# Altium PCB Proyecto_0-Buck_Up.PcbDoc (part 1 of 5) (continued)
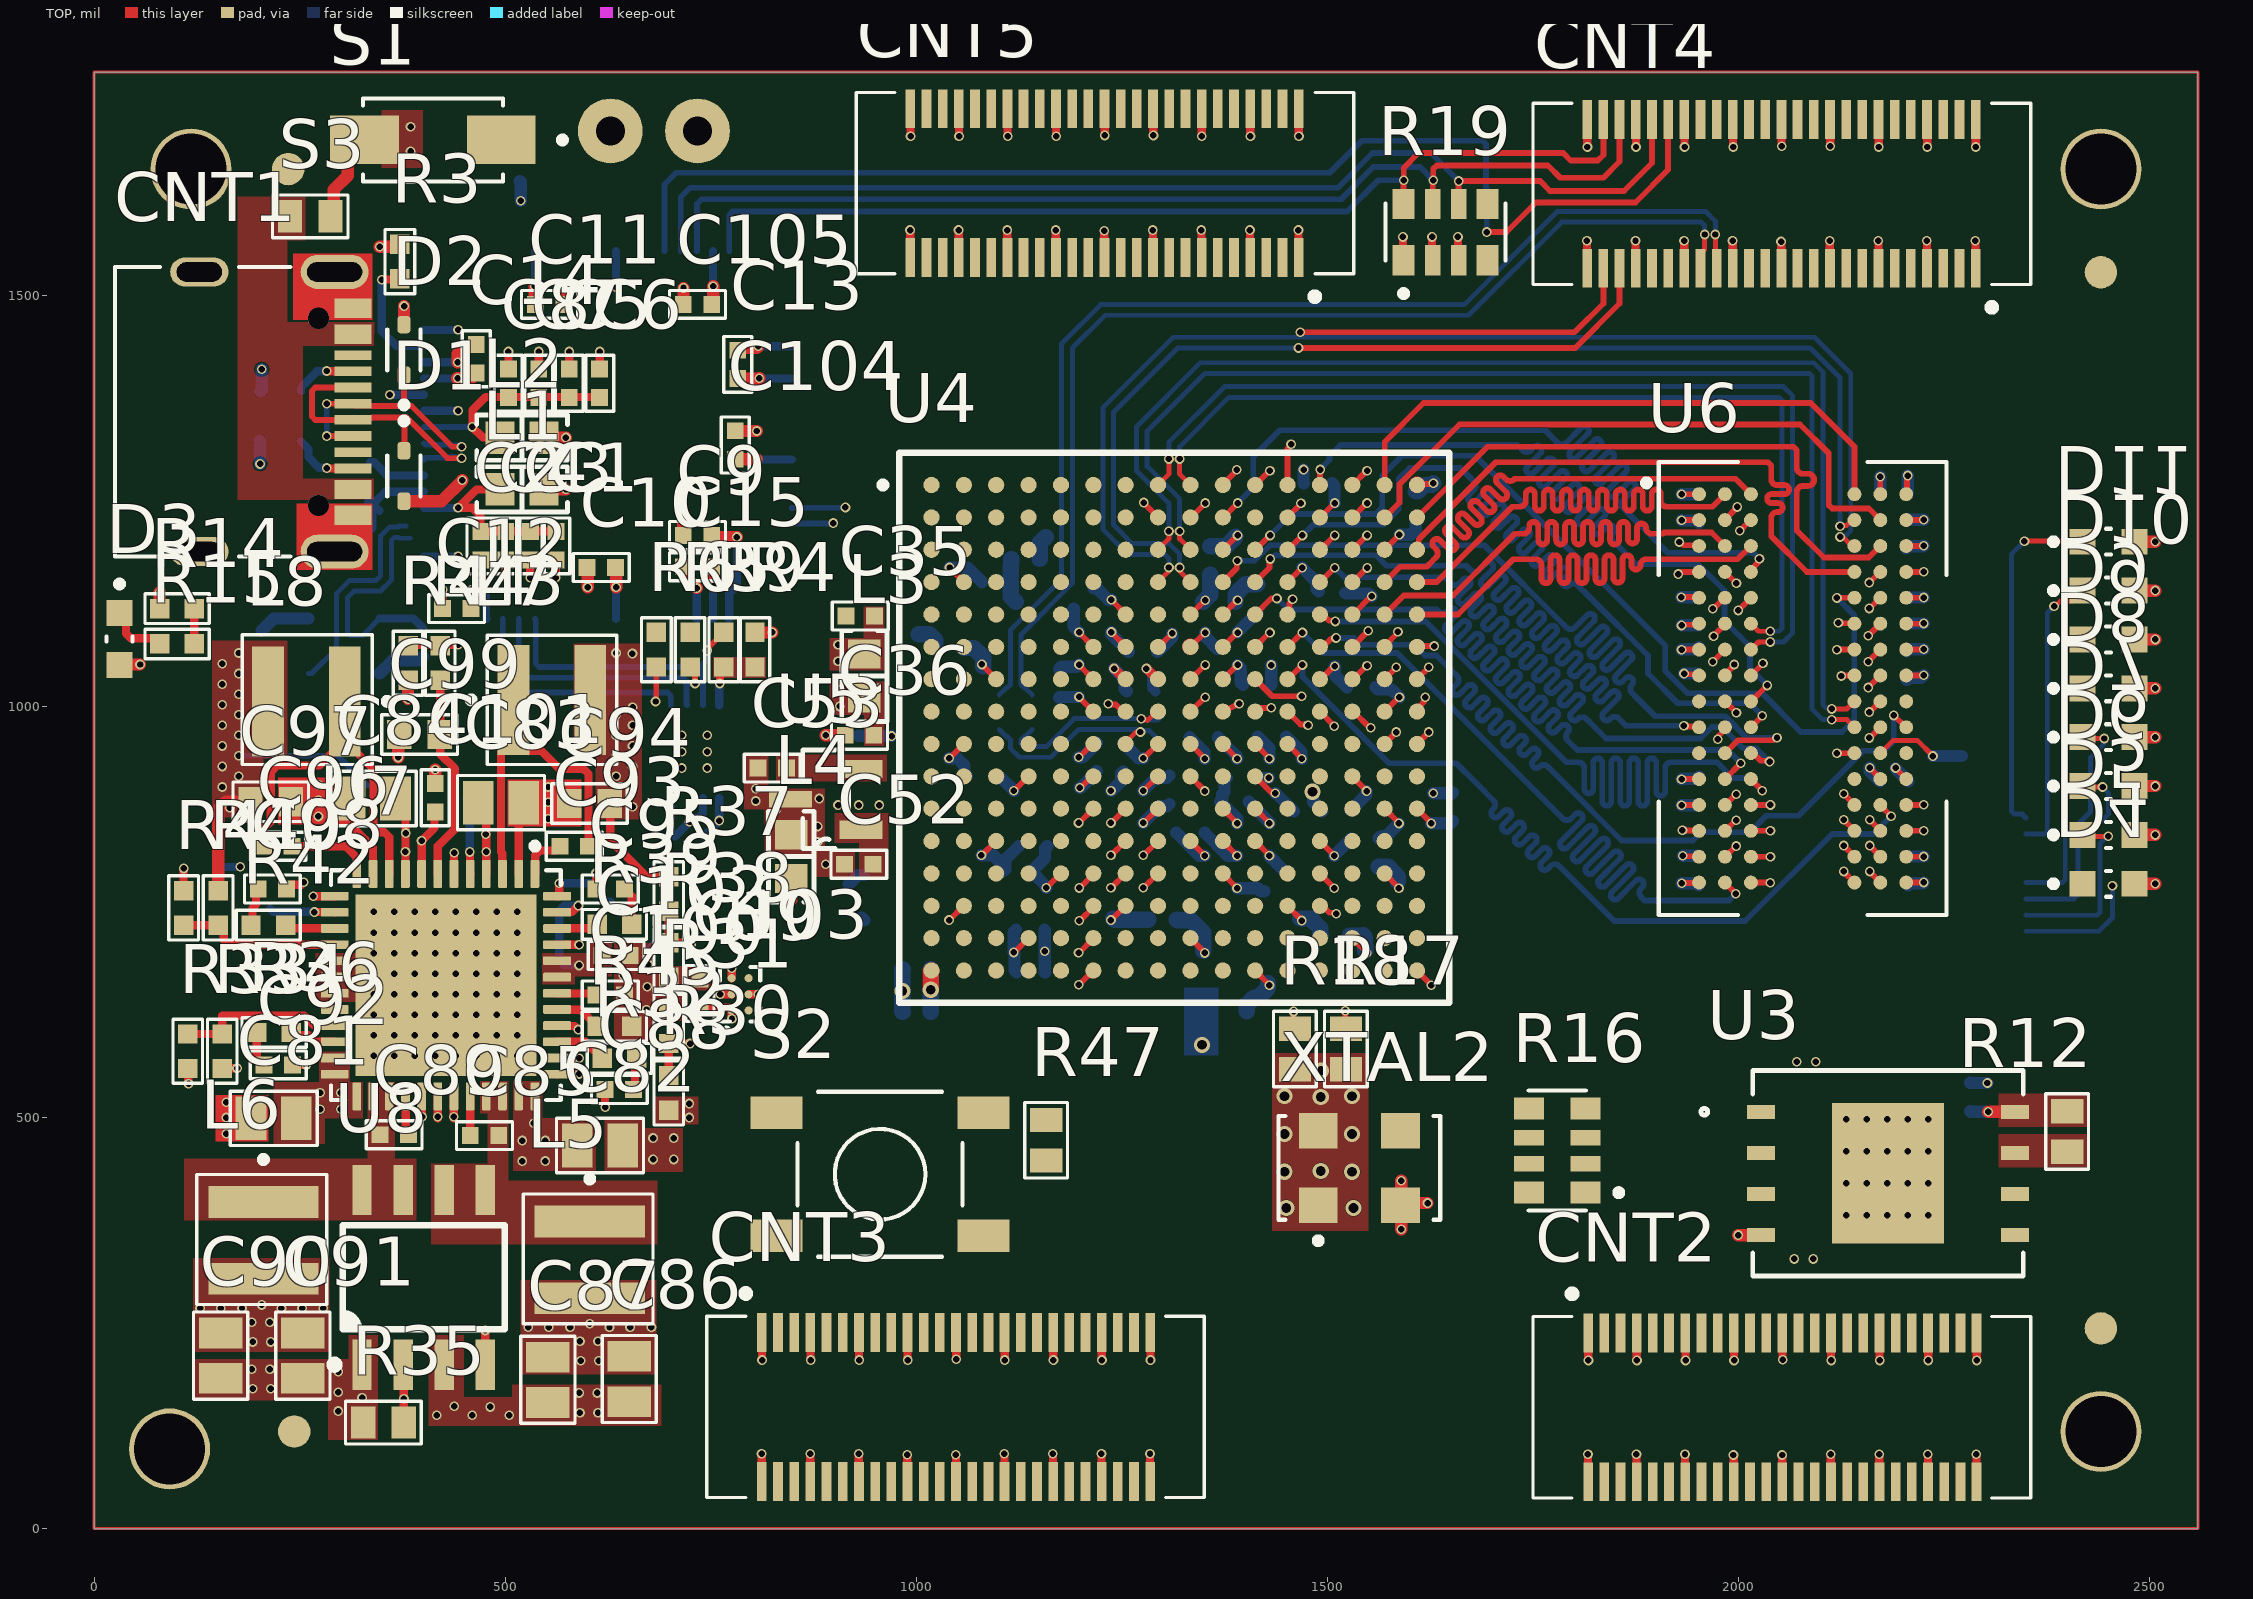
[diagram p0: TOP view]
## Design rules (kind name [scope] priority, off if disabled: settings) (continued)
DiffPairsRouting "Schematic Differential Pairs Routing_47" [InNet('AD12_N')] p18: maxlimit=10 minlimit=7 mostfreqgap=10 toplayer_maxgap=7 toplayer_prefgap=7 toplayer_minwidth=6 toplayer_maxwidth=6 toplayer_prefwidth=6 bottomlayer_maxgap=7 bottomlayer_prefgap=7 bottomlayer_minwidth=6 bottomlayer_maxwidth=6 bottomlayer_prefwidth=6 impedanceprofiledriven=TRUE impedanceprofileid={E70E592B-6717-4881-90EF-383EF7D50643} impedanceprofilevalue=100.000000 maxuncoupledlength=500
DiffPairsRouting "Schematic Differential Pairs Routing_46" [InNet('AD12_P')] p19: maxlimit=10 minlimit=7 mostfreqgap=10 toplayer_maxgap=7 toplayer_prefgap=7 toplayer_minwidth=6 toplayer_maxwidth=6 toplayer_prefwidth=6 bottomlayer_maxgap=7 bottomlayer_prefgap=7 bottomlayer_minwidth=6 bottomlayer_maxwidth=6 bottomlayer_prefwidth=6 impedanceprofiledriven=TRUE impedanceprofileid={E70E592B-6717-4881-90EF-383EF7D50643} impedanceprofilevalue=100.000000 maxuncoupledlength=500
DiffPairsRouting "Schematic Differential Pairs Routing_45" [InNet('L15_P')] p20: maxlimit=10 minlimit=7 mostfreqgap=10 toplayer_maxgap=7 toplayer_prefgap=7 toplayer_minwidth=6 toplayer_maxwidth=6 toplayer_prefwidth=6 bottomlayer_maxgap=7 bottomlayer_prefgap=7 bottomlayer_minwidth=6 bottomlayer_maxwidth=6 bottomlayer_prefwidth=6 impedanceprofiledriven=TRUE impedanceprofileid={E70E592B-6717-4881-90EF-383EF7D50643} impedanceprofilevalue=100.000000 maxuncoupledlength=500
DiffPairsRouting "Schematic Differential Pairs Routing_44" [InNet('UDQS_N')] p21: maxlimit=10 minlimit=7 mostfreqgap=10 toplayer_maxgap=7 toplayer_prefgap=7 toplayer_minwidth=6 toplayer_maxwidth=6 toplayer_prefwidth=6 bottomlayer_maxgap=7 bottomlayer_prefgap=7 bottomlayer_minwidth=6 bottomlayer_maxwidth=6 bottomlayer_prefwidth=6 impedanceprofiledriven=TRUE impedanceprofileid={E70E592B-6717-4881-90EF-383EF7D50643} impedanceprofilevalue=100.000000 maxuncoupledlength=500
DiffPairsRouting "Schematic Differential Pairs Routing_43" [InNet('UDQS_P')] p22: maxlimit=10 minlimit=7 mostfreqgap=10 toplayer_maxgap=7 toplayer_prefgap=7 toplayer_minwidth=6 toplayer_maxwidth=6 toplayer_prefwidth=6 bottomlayer_maxgap=7 bottomlayer_prefgap=7 bottomlayer_minwidth=6 bottomlayer_maxwidth=6 bottomlayer_prefwidth=6 impedanceprofiledriven=TRUE impedanceprofileid={E70E592B-6717-4881-90EF-383EF7D50643} impedanceprofilevalue=100.000000 maxuncoupledlength=500
DiffPairsRouting "Schematic Differential Pairs Routing_42" [InNet('CK_P')] p23: maxlimit=10 minlimit=7 mostfreqgap=10 toplayer_maxgap=7 toplayer_prefgap=7 toplayer_minwidth=6 toplayer_maxwidth=6 toplayer_prefwidth=6 bottomlayer_maxgap=7 bottomlayer_prefgap=7 bottomlayer_minwidth=6 bottomlayer_maxwidth=6 bottomlayer_prefwidth=6 impedanceprofiledriven=TRUE impedanceprofileid={E70E592B-6717-4881-90EF-383EF7D50643} impedanceprofilevalue=100.000000 maxuncoupledlength=500
DiffPairsRouting "Schematic Differential Pairs Routing_41" [InNet('CK_N')] p24: maxlimit=10 minlimit=7 mostfreqgap=10 toplayer_maxgap=7 toplayer_prefgap=7 toplayer_minwidth=6 toplayer_maxwidth=6 toplayer_prefwidth=6 bottomlayer_maxgap=7 bottomlayer_prefgap=7 bottomlayer_minwidth=6 bottomlayer_maxwidth=6 bottomlayer_prefwidth=6 impedanceprofiledriven=TRUE impedanceprofileid={E70E592B-6717-4881-90EF-383EF7D50643} impedanceprofilevalue=100.000000 maxuncoupledlength=500
DiffPairsRouting "Schematic Differential Pairs Routing_40" [InNet('AD5_P')] p25: maxlimit=10 minlimit=7 mostfreqgap=10 toplayer_maxgap=7 toplayer_prefgap=7 toplayer_minwidth=6 toplayer_maxwidth=6 toplayer_prefwidth=6 bottomlayer_maxgap=7 bottomlayer_prefgap=7 bottomlayer_minwidth=6 bottomlayer_maxwidth=6 bottomlayer_prefwidth=6 impedanceprofiledriven=TRUE impedanceprofileid={E70E592B-6717-4881-90EF-383EF7D50643} impedanceprofilevalue=100.000000 maxuncoupledlength=500
DiffPairsRouting "Schematic Differential Pairs Routing_39" [InNet('L12_N')] p26: maxlimit=10 minlimit=7 mostfreqgap=10 toplayer_maxgap=7 toplayer_prefgap=7 toplayer_minwidth=6 toplayer_maxwidth=6 toplayer_prefwidth=6 bottomlayer_maxgap=7 bottomlayer_prefgap=7 bottomlayer_minwidth=6 bottomlayer_maxwidth=6 bottomlayer_prefwidth=6 impedanceprofiledriven=TRUE impedanceprofileid={E70E592B-6717-4881-90EF-383EF7D50643} impedanceprofilevalue=100.000000 maxuncoupledlength=500
DiffPairsRouting "Schematic Differential Pairs Routing_38" [InNet('L22_N')] p27: maxlimit=10 minlimit=7 mostfreqgap=10 toplayer_maxgap=7 toplayer_prefgap=7 toplayer_minwidth=6 toplayer_maxwidth=6 toplayer_prefwidth=6 bottomlayer_maxgap=7 bottomlayer_prefgap=7 bottomlayer_minwidth=6 bottomlayer_maxwidth=6 bottomlayer_prefwidth=6 impedanceprofiledriven=TRUE impedanceprofileid={E70E592B-6717-4881-90EF-383EF7D50643} impedanceprofilevalue=100.000000 maxuncoupledlength=500
DiffPairsRouting "Schematic Differential Pairs Routing_37" [InNet('AD5_N')] p28: maxlimit=10 minlimit=7 mostfreqgap=10 toplayer_maxgap=7 toplayer_prefgap=7 toplayer_minwidth=6 toplayer_maxwidth=6 toplayer_prefwidth=6 bottomlayer_maxgap=7 bottomlayer_prefgap=7 bottomlayer_minwidth=6 bottomlayer_maxwidth=6 bottomlayer_prefwidth=6 impedanceprofiledriven=TRUE impedanceprofileid={E70E592B-6717-4881-90EF-383EF7D50643} impedanceprofilevalue=100.000000 maxuncoupledlength=500
DiffPairsRouting "Schematic Differential Pairs Routing_36" [InNet('AD7_P')] p29: maxlimit=10 minlimit=7 mostfreqgap=10 toplayer_maxgap=7 toplayer_prefgap=7 toplayer_minwidth=6 toplayer_maxwidth=6 toplayer_prefwidth=6 bottomlayer_maxgap=7 bottomlayer_prefgap=7 bottomlayer_minwidth=6 bottomlayer_maxwidth=6 bottomlayer_prefwidth=6 impedanceprofiledriven=TRUE impedanceprofileid={E70E592B-6717-4881-90EF-383EF7D50643} impedanceprofilevalue=100.000000 maxuncoupledlength=500
DiffPairsRouting "Schematic Differential Pairs Routing_35" [InNet('L16_P')] p30: maxlimit=10 minlimit=7 mostfreqgap=10 toplayer_maxgap=7 toplayer_prefgap=7 toplayer_minwidth=6 toplayer_maxwidth=6 toplayer_prefwidth=6 bottomlayer_maxgap=7 bottomlayer_prefgap=7 bottomlayer_minwidth=6 bottomlayer_maxwidth=6 bottomlayer_prefwidth=6 impedanceprofiledriven=TRUE impedanceprofileid={E70E592B-6717-4881-90EF-383EF7D50643} impedanceprofilevalue=100.000000 maxuncoupledlength=500
DiffPairsRouting "Schematic Differential Pairs Routing_34" [InNet('L13_P')] p31: maxlimit=10 minlimit=7 mostfreqgap=10 toplayer_maxgap=7 toplayer_prefgap=7 toplayer_minwidth=6 toplayer_maxwidth=6 toplayer_prefwidth=6 bottomlayer_maxgap=7 bottomlayer_prefgap=7 bottomlayer_minwidth=6 bottomlayer_maxwidth=6 bottomlayer_prefwidth=6 impedanceprofiledriven=TRUE impedanceprofileid={E70E592B-6717-4881-90EF-383EF7D50643} impedanceprofilevalue=100.000000 maxuncoupledlength=500
DiffPairsRouting "Schematic Differential Pairs Routing_33" [InNet('L23_P')] p32: maxlimit=10 minlimit=7 mostfreqgap=10 toplayer_maxgap=7 toplayer_prefgap=7 toplayer_minwidth=6 toplayer_maxwidth=6 toplayer_prefwidth=6 bottomlayer_maxgap=7 bottomlayer_prefgap=7 bottomlayer_minwidth=6 bottomlayer_maxwidth=6 bottomlayer_prefwidth=6 impedanceprofiledriven=TRUE impedanceprofileid={E70E592B-6717-4881-90EF-383EF7D50643} impedanceprofilevalue=100.000000 maxuncoupledlength=500
DiffPairsRouting "Schematic Differential Pairs Routing_32" [InNet('L16_N')] p33: maxlimit=10 minlimit=7 mostfreqgap=10 toplayer_maxgap=7 toplayer_prefgap=7 toplayer_minwidth=6 toplayer_maxwidth=6 toplayer_prefwidth=6 bottomlayer_maxgap=7 bottomlayer_prefgap=7 bottomlayer_minwidth=6 bottomlayer_maxwidth=6 bottomlayer_prefwidth=6 impedanceprofiledriven=TRUE impedanceprofileid={E70E592B-6717-4881-90EF-383EF7D50643} impedanceprofilevalue=100.000000 maxuncoupledlength=500
DiffPairsRouting "Schematic Differential Pairs Routing_31" [InNet('L20_P')] p34: maxlimit=10 minlimit=7 mostfreqgap=10 toplayer_maxgap=7 toplayer_prefgap=7 toplayer_minwidth=6 toplayer_maxwidth=6 toplayer_prefwidth=6 bottomlayer_maxgap=7 bottomlayer_prefgap=7 bottomlayer_minwidth=6 bottomlayer_maxwidth=6 bottomlayer_prefwidth=6 impedanceprofiledriven=TRUE impedanceprofileid={E70E592B-6717-4881-90EF-383EF7D50643} impedanceprofilevalue=100.000000 maxuncoupledlength=500
DiffPairsRouting "Schematic Differential Pairs Routing_30" [InNet('AD6_P')] p35: maxlimit=10 minlimit=7 mostfreqgap=10 toplayer_maxgap=7 toplayer_prefgap=7 toplayer_minwidth=6 toplayer_maxwidth=6 toplayer_prefwidth=6 bottomlayer_maxgap=7 bottomlayer_prefgap=7 bottomlayer_minwidth=6 bottomlayer_maxwidth=6 bottomlayer_prefwidth=6 impedanceprofiledriven=TRUE impedanceprofileid={E70E592B-6717-4881-90EF-383EF7D50643} impedanceprofilevalue=100.000000 maxuncoupledlength=500
DiffPairsRouting "Schematic Differential Pairs Routing_29" [InNet('AD7_N')] p36: maxlimit=10 minlimit=7 mostfreqgap=10 toplayer_maxgap=7 toplayer_prefgap=7 toplayer_minwidth=6 toplayer_maxwidth=6 toplayer_prefwidth=6 bottomlayer_maxgap=7 bottomlayer_prefgap=7 bottomlayer_minwidth=6 bottomlayer_maxwidth=6 bottomlayer_prefwidth=6 impedanceprofiledriven=TRUE impedanceprofileid={E70E592B-6717-4881-90EF-383EF7D50643} impedanceprofilevalue=100.000000 maxuncoupledlength=500
DiffPairsRouting "Schematic Differential Pairs Routing_28" [InNet('L18_P')] p37: maxlimit=10 minlimit=7 mostfreqgap=10 toplayer_maxgap=7 toplayer_prefgap=7 toplayer_minwidth=6 toplayer_maxwidth=6 toplayer_prefwidth=6 bottomlayer_maxgap=7 bottomlayer_prefgap=7 bottomlayer_minwidth=6 bottomlayer_maxwidth=6 bottomlayer_prefwidth=6 impedanceprofiledriven=TRUE impedanceprofileid={E70E592B-6717-4881-90EF-383EF7D50643} impedanceprofilevalue=100.000000 maxuncoupledlength=500
DiffPairsRouting "Schematic Differential Pairs Routing_27" [InNet('L20_N')] p38: maxlimit=10 minlimit=7 mostfreqgap=10 toplayer_maxgap=7 toplayer_prefgap=7 toplayer_minwidth=6 toplayer_maxwidth=6 toplayer_prefwidth=6 bottomlayer_maxgap=7 bottomlayer_prefgap=7 bottomlayer_minwidth=6 bottomlayer_maxwidth=6 bottomlayer_prefwidth=6 impedanceprofiledriven=TRUE impedanceprofileid={E70E592B-6717-4881-90EF-383EF7D50643} impedanceprofilevalue=100.000000 maxuncoupledlength=500
DiffPairsRouting "Schematic Differential Pairs Routing_26" [InNet('L18_N')] p39: maxlimit=10 minlimit=7 mostfreqgap=10 toplayer_maxgap=7 toplayer_prefgap=7 toplayer_minwidth=6 toplayer_maxwidth=6 toplayer_prefwidth=6 bottomlayer_maxgap=7 bottomlayer_prefgap=7 bottomlayer_minwidth=6 bottomlayer_maxwidth=6 bottomlayer_prefwidth=6 impedanceprofiledriven=TRUE impedanceprofileid={E70E592B-6717-4881-90EF-383EF7D50643} impedanceprofilevalue=100.000000 maxuncoupledlength=500
DiffPairsRouting "Schematic Differential Pairs Routing_25" [InNet('LDQS_N')] p40: maxlimit=10 minlimit=7 mostfreqgap=10 toplayer_maxgap=7 toplayer_prefgap=7 toplayer_minwidth=6 toplayer_maxwidth=6 toplayer_prefwidth=6 bottomlayer_maxgap=7 bottomlayer_prefgap=7 bottomlayer_minwidth=6 bottomlayer_maxwidth=6 bottomlayer_prefwidth=6 impedanceprofiledriven=TRUE impedanceprofileid={E70E592B-6717-4881-90EF-383EF7D50643} impedanceprofilevalue=100.000000 maxuncoupledlength=500
DiffPairsRouting "Schematic Differential Pairs Routing_24" [InNet('LDQS_P')] p41: maxlimit=10 minlimit=7 mostfreqgap=10 toplayer_maxgap=7 toplayer_prefgap=7 toplayer_minwidth=6 toplayer_maxwidth=6 toplayer_prefwidth=6 bottomlayer_maxgap=7 bottomlayer_prefgap=7 bottomlayer_minwidth=6 bottomlayer_maxwidth=6 bottomlayer_prefwidth=6 impedanceprofiledriven=TRUE impedanceprofileid={E70E592B-6717-4881-90EF-383EF7D50643} impedanceprofilevalue=100.000000 maxuncoupledlength=500
DiffPairsRouting "Schematic Differential Pairs Routing_23" [InNet('L14_N')] p42: maxlimit=10 minlimit=7 mostfreqgap=10 toplayer_maxgap=7 toplayer_prefgap=7 toplayer_minwidth=6 toplayer_maxwidth=6 toplayer_prefwidth=6 bottomlayer_maxgap=7 bottomlayer_prefgap=7 bottomlayer_minwidth=6 bottomlayer_maxwidth=6 bottomlayer_prefwidth=6 impedanceprofiledriven=TRUE impedanceprofileid={E70E592B-6717-4881-90EF-383EF7D50643} impedanceprofilevalue=100.000000 maxuncoupledlength=500
DiffPairsRouting "Schematic Differential Pairs Routing_22" [InNet('L24_N')] p43: maxlimit=10 minlimit=7 mostfreqgap=10 toplayer_maxgap=7 toplayer_prefgap=7 toplayer_minwidth=6 toplayer_maxwidth=6 toplayer_prefwidth=6 bottomlayer_maxgap=7 bottomlayer_prefgap=7 bottomlayer_minwidth=6 bottomlayer_maxwidth=6 bottomlayer_prefwidth=6 impedanceprofiledriven=TRUE impedanceprofileid={E70E592B-6717-4881-90EF-383EF7D50643} impedanceprofilevalue=100.000000 maxuncoupledlength=500
DiffPairsRouting "Schematic Differential Pairs Routing_21" [InNet('AD6_N')] p44: maxlimit=10 minlimit=7 mostfreqgap=10 toplayer_maxgap=7 toplayer_prefgap=7 toplayer_minwidth=6 toplayer_maxwidth=6 toplayer_prefwidth=6 bottomlayer_maxgap=7 bottomlayer_prefgap=7 bottomlayer_minwidth=6 bottomlayer_maxwidth=6 bottomlayer_prefwidth=6 impedanceprofiledriven=TRUE impedanceprofileid={E70E592B-6717-4881-90EF-383EF7D50643} impedanceprofilevalue=100.000000 maxuncoupledlength=500
DiffPairsRouting "Schematic Differential Pairs Routing_20" [InNet('L13_N')] p45: maxlimit=10 minlimit=7 mostfreqgap=10 toplayer_maxgap=7 toplayer_prefgap=7 toplayer_minwidth=6 toplayer_maxwidth=6 toplayer_prefwidth=6 bottomlayer_maxgap=7 bottomlayer_prefgap=7 bottomlayer_minwidth=6 bottomlayer_maxwidth=6 bottomlayer_prefwidth=6 impedanceprofiledriven=TRUE impedanceprofileid={E70E592B-6717-4881-90EF-383EF7D50643} impedanceprofilevalue=100.000000 maxuncoupledlength=500
DiffPairsRouting "Schematic Differential Pairs Routing_19" [InNet('L23_N')] p46: maxlimit=10 minlimit=7 mostfreqgap=10 toplayer_maxgap=7 toplayer_prefgap=7 toplayer_minwidth=6 toplayer_maxwidth=6 toplayer_prefwidth=6 bottomlayer_maxgap=7 bottomlayer_prefgap=7 bottomlayer_minwidth=6 bottomlayer_maxwidth=6 bottomlayer_prefwidth=6 impedanceprofiledriven=TRUE impedanceprofileid={E70E592B-6717-4881-90EF-383EF7D50643} impedanceprofilevalue=100.000000 maxuncoupledlength=500
DiffPairsRouting "Schematic Differential Pairs Routing_18" [InNet('L17_P')] p47: maxlimit=10 minlimit=7 mostfreqgap=10 toplayer_maxgap=7 toplayer_prefgap=7 toplayer_minwidth=6 toplayer_maxwidth=6 toplayer_prefwidth=6 bottomlayer_maxgap=7 bottomlayer_prefgap=7 bottomlayer_minwidth=6 bottomlayer_maxwidth=6 bottomlayer_prefwidth=6 impedanceprofiledriven=TRUE impedanceprofileid={E70E592B-6717-4881-90EF-383EF7D50643} impedanceprofilevalue=100.000000 maxuncoupledlength=500
DiffPairsRouting "Schematic Differential Pairs Routing_17" [InNet('L14_P')] p48: maxlimit=10 minlimit=7 mostfreqgap=10 toplayer_maxgap=7 toplayer_prefgap=7 toplayer_minwidth=6 toplayer_maxwidth=6 toplayer_prefwidth=6 bottomlayer_maxgap=7 bottomlayer_prefgap=7 bottomlayer_minwidth=6 bottomlayer_maxwidth=6 bottomlayer_prefwidth=6 impedanceprofiledriven=TRUE impedanceprofileid={E70E592B-6717-4881-90EF-383EF7D50643} impedanceprofilevalue=100.000000 maxuncoupledlength=500
DiffPairsRouting "Schematic Differential Pairs Routing_16" [InNet('L24_P')] p49: maxlimit=10 minlimit=7 mostfreqgap=10 toplayer_maxgap=7 toplayer_prefgap=7 toplayer_minwidth=6 toplayer_maxwidth=6 toplayer_prefwidth=6 bottomlayer_maxgap=7 bottomlayer_prefgap=7 bottomlayer_minwidth=6 bottomlayer_maxwidth=6 bottomlayer_prefwidth=6 impedanceprofiledriven=TRUE impedanceprofileid={E70E592B-6717-4881-90EF-383EF7D50643} impedanceprofilevalue=100.000000 maxuncoupledlength=500
DiffPairsRouting "Schematic Differential Pairs Routing_15" [InNet('L17_N')] p50: maxlimit=10 minlimit=7 mostfreqgap=10 toplayer_maxgap=7 toplayer_prefgap=7 toplayer_minwidth=6 toplayer_maxwidth=6 toplayer_prefwidth=6 bottomlayer_maxgap=7 bottomlayer_prefgap=7 bottomlayer_minwidth=6 bottomlayer_maxwidth=6 bottomlayer_prefwidth=6 impedanceprofiledriven=TRUE impedanceprofileid={E70E592B-6717-4881-90EF-383EF7D50643} impedanceprofilevalue=100.000000 maxuncoupledlength=500
DiffPairsRouting "Schematic Differential Pairs Routing_14" [InNet('L11_P')] p51: maxlimit=10 minlimit=7 mostfreqgap=10 toplayer_maxgap=7 toplayer_prefgap=7 toplayer_minwidth=6 toplayer_maxwidth=6 toplayer_prefwidth=6 bottomlayer_maxgap=7 bottomlayer_prefgap=7 bottomlayer_minwidth=6 bottomlayer_maxwidth=6 bottomlayer_prefwidth=6 impedanceprofiledriven=TRUE impedanceprofileid={E70E592B-6717-4881-90EF-383EF7D50643} impedanceprofilevalue=100.000000 maxuncoupledlength=500
DiffPairsRouting "Schematic Differential Pairs Routing_13" [InNet('L21_P')] p52: maxlimit=10 minlimit=7 mostfreqgap=10 toplayer_maxgap=7 toplayer_prefgap=7 toplayer_minwidth=6 toplayer_maxwidth=6 toplayer_prefwidth=6 bottomlayer_maxgap=7 bottomlayer_prefgap=7 bottomlayer_minwidth=6 bottomlayer_maxwidth=6 bottomlayer_prefwidth=6 impedanceprofiledriven=TRUE impedanceprofileid={E70E592B-6717-4881-90EF-383EF7D50643} impedanceprofilevalue=100.000000 maxuncoupledlength=500
DiffPairsRouting "Schematic Differential Pairs Routing_12" [InNet('L4_N')] p53: maxlimit=10 minlimit=7 mostfreqgap=10 toplayer_maxgap=7 toplayer_prefgap=7 toplayer_minwidth=6 toplayer_maxwidth=6 toplayer_prefwidth=6 bottomlayer_maxgap=7 bottomlayer_prefgap=7 bottomlayer_minwidth=6 bottomlayer_maxwidth=6 bottomlayer_prefwidth=6 impedanceprofiledriven=TRUE impedanceprofileid={E70E592B-6717-4881-90EF-383EF7D50643} impedanceprofilevalue=100.000000 maxuncoupledlength=500
DiffPairsRouting "Schematic Differential Pairs Routing_11" [InNet('L4_P')] p54: maxlimit=10 minlimit=7 mostfreqgap=10 toplayer_maxgap=7 toplayer_prefgap=7 toplayer_minwidth=6 toplayer_maxwidth=6 toplayer_prefwidth=6 bottomlayer_maxgap=7 bottomlayer_prefgap=7 bottomlayer_minwidth=6 bottomlayer_maxwidth=6 bottomlayer_prefwidth=6 impedanceprofiledriven=TRUE impedanceprofileid={E70E592B-6717-4881-90EF-383EF7D50643} impedanceprofilevalue=100.000000 maxuncoupledlength=500
DiffPairsRouting "Schematic Differential Pairs Routing_10" [InNet('L6_N')] p55: maxlimit=10 minlimit=7 mostfreqgap=10 toplayer_maxgap=7 toplayer_prefgap=7 toplayer_minwidth=6 toplayer_maxwidth=6 toplayer_prefwidth=6 bottomlayer_maxgap=7 bottomlayer_prefgap=7 bottomlayer_minwidth=6 bottomlayer_maxwidth=6 bottomlayer_prefwidth=6 impedanceprofiledriven=TRUE impedanceprofileid={E70E592B-6717-4881-90EF-383EF7D50643} impedanceprofilevalue=100.000000 maxuncoupledlength=500
DiffPairsRouting "Schematic Differential Pairs Routing_9" [InNet('L6_P')] p56: maxlimit=10 minlimit=7 mostfreqgap=10 toplayer_maxgap=7 toplayer_prefgap=7 toplayer_minwidth=6 toplayer_maxwidth=6 toplayer_prefwidth=6 bottomlayer_maxgap=7 bottomlayer_prefgap=7 bottomlayer_minwidth=6 bottomlayer_maxwidth=6 bottomlayer_prefwidth=6 impedanceprofiledriven=TRUE impedanceprofileid={E70E592B-6717-4881-90EF-383EF7D50643} impedanceprofilevalue=100.000000 maxuncoupledlength=500
DiffPairsRouting "Schematic Differential Pairs Routing_8" [InNet('AD4_P')] p57: maxlimit=10 minlimit=7 mostfreqgap=10 toplayer_maxgap=7 toplayer_prefgap=7 toplayer_minwidth=6 toplayer_maxwidth=6 toplayer_prefwidth=6 bottomlayer_maxgap=7 bottomlayer_prefgap=7 bottomlayer_minwidth=6 bottomlayer_maxwidth=6 bottomlayer_prefwidth=6 impedanceprofiledriven=TRUE impedanceprofileid={E70E592B-6717-4881-90EF-383EF7D50643} impedanceprofilevalue=100.000000 maxuncoupledlength=500
DiffPairsRouting "Schematic Differential Pairs Routing_7" [InNet('AD4_N')] p58: maxlimit=10 minlimit=7 mostfreqgap=10 toplayer_maxgap=7 toplayer_prefgap=7 toplayer_minwidth=6 toplayer_maxwidth=6 toplayer_prefwidth=6 bottomlayer_maxgap=7 bottomlayer_prefgap=7 bottomlayer_minwidth=6 bottomlayer_maxwidth=6 bottomlayer_prefwidth=6 impedanceprofiledriven=TRUE impedanceprofileid={E70E592B-6717-4881-90EF-383EF7D50643} impedanceprofilevalue=100.000000 maxuncoupledlength=500
DiffPairsRouting "Schematic Differential Pairs Routing_6" [InNet('L19_P')] p59: maxlimit=10 minlimit=7 mostfreqgap=10 toplayer_maxgap=7 toplayer_prefgap=7 toplayer_minwidth=6 toplayer_maxwidth=6 toplayer_prefwidth=6 bottomlayer_maxgap=7 bottomlayer_prefgap=7 bottomlayer_minwidth=6 bottomlayer_maxwidth=6 bottomlayer_prefwidth=6 impedanceprofiledriven=TRUE impedanceprofileid={E70E592B-6717-4881-90EF-383EF7D50643} impedanceprofilevalue=100.000000 maxuncoupledlength=500
DiffPairsRouting "Schematic Differential Pairs Routing_5" [InNet('L11_N')] p60: maxlimit=10 minlimit=7 mostfreqgap=10 toplayer_maxgap=7 toplayer_prefgap=7 toplayer_minwidth=6 toplayer_maxwidth=6 toplayer_prefwidth=6 bottomlayer_maxgap=7 bottomlayer_prefgap=7 bottomlayer_minwidth=6 bottomlayer_maxwidth=6 bottomlayer_prefwidth=6 impedanceprofiledriven=TRUE impedanceprofileid={E70E592B-6717-4881-90EF-383EF7D50643} impedanceprofilevalue=100.000000 maxuncoupledlength=500
DiffPairsRouting "Schematic Differential Pairs Routing_4" [InNet('L21_N')] p61: maxlimit=10 minlimit=7 mostfreqgap=10 toplayer_maxgap=7 toplayer_prefgap=7 toplayer_minwidth=6 toplayer_maxwidth=6 toplayer_prefwidth=6 bottomlayer_maxgap=7 bottomlayer_prefgap=7 bottomlayer_minwidth=6 bottomlayer_maxwidth=6 bottomlayer_prefwidth=6 impedanceprofiledriven=TRUE impedanceprofileid={E70E592B-6717-4881-90EF-383EF7D50643} impedanceprofilevalue=100.000000 maxuncoupledlength=500
DiffPairsRouting "Schematic Differential Pairs Routing_3" [InNet('L19_N')] p62: maxlimit=10 minlimit=7 mostfreqgap=10 toplayer_maxgap=7 toplayer_prefgap=7 toplayer_minwidth=6 toplayer_maxwidth=6 toplayer_prefwidth=6 bottomlayer_maxgap=7 bottomlayer_prefgap=7 bottomlayer_minwidth=6 bottomlayer_maxwidth=6 bottomlayer_prefwidth=6 impedanceprofiledriven=TRUE impedanceprofileid={E70E592B-6717-4881-90EF-383EF7D50643} impedanceprofilevalue=100.000000 maxuncoupledlength=500
DiffPairsRouting "Schematic Differential Pairs Routing" [InNet('L15_N')] p63: maxlimit=10 minlimit=7 mostfreqgap=10 toplayer_maxgap=7 toplayer_prefgap=7 toplayer_minwidth=6 toplayer_maxwidth=6 toplayer_prefwidth=6 bottomlayer_maxgap=7 bottomlayer_prefgap=7 bottomlayer_minwidth=6 bottomlayer_maxwidth=6 bottomlayer_prefwidth=6 impedanceprofiledriven=TRUE impedanceprofileid={E70E592B-6717-4881-90EF-383EF7D50643} impedanceprofilevalue=100.000000 maxuncoupledlength=500
DiffPairsRouting ADC_DIFF_FILTERED [InDifferentialPairClass('ADC_DIFF_FILTERED')] p64: maxlimit=10 minlimit=7 mostfreqgap=10 toplayer_maxgap=7 toplayer_prefgap=7 toplayer_minwidth=6 toplayer_maxwidth=6 toplayer_prefwidth=6 bottomlayer_maxgap=7 bottomlayer_prefgap=7 bottomlayer_minwidth=6 bottomlayer_maxwidth=6 bottomlayer_prefwidth=6 impedanceprofiledriven=TRUE impedanceprofileid={E70E592B-6717-4881-90EF-383EF7D50643} impedanceprofilevalue=100.000000 maxuncoupledlength=500
DiffPairsRouting [InDifferentialPairClass('DDR_CK_DIFF')] p65: maxlimit=10 minlimit=7 mostfreqgap=10 toplayer_maxgap=7 toplayer_prefgap=7 toplayer_minwidth=6 toplayer_maxwidth=6 toplayer_prefwidth=6 bottomlayer_maxgap=7 bottomlayer_prefgap=7 bottomlayer_minwidth=6 bottomlayer_maxwidth=6 bottomlayer_prefwidth=6 impedanceprofiledriven=TRUE impedanceprofileid={E70E592B-6717-4881-90EF-383EF7D50643} impedanceprofilevalue=100.000000 maxuncoupledlength=500
HoleSize [All] p1: absolutevalues=TRUE maxlimit=118.11 minlimit=39.37 maxpercent=80.000 minpercent=20.000
MatchedLengths "Schematic Matched Net Lengths_9" [InNetClass('FPGA_CONFIG_SIGNALS_1')] p1: tolerance=100 checknetsindiffpair=FALSE checkdiffpairvsdiffpair=TRUE checkxsignals=TRUE checkothers=TRUE
MatchedLengths "Schematic Matched Net Lengths_8" [InNetClass('FPGA_CONFIG_SIGNALS_2')] p2: tolerance=100 checknetsindiffpair=FALSE checkdiffpairvsdiffpair=TRUE checkxsignals=TRUE checkothers=TRUE
MatchedLengths "Schematic Matched Net Lengths" [InNetClass('DDR_CTRL')] p3: tolerance=20 checknetsindiffpair=FALSE checkdiffpairvsdiffpair=TRUE checkxsignals=TRUE checkothers=TRUE
MatchedLengths "Schematic Matched Net Lengths_143" [InNet('USB_DATA_P')] p4: tolerance=150 checknetsindiffpair=TRUE checkdiffpairvsdiffpair=FALSE checkxsignals=FALSE checkothers=FALSE
MatchedLengths "Schematic Matched Net Lengths_141" [InNetClass('FPGA_BANK34')] p5: tolerance=400 checknetsindiffpair=FALSE checkdiffpairvsdiffpair=TRUE checkxsignals=TRUE checkothers=TRUE
MatchedLengths "Schematic Matched Net Lengths_130" [InNetClass('FPGA_BANK14')] p6: tolerance=400 checknetsindiffpair=FALSE checkdiffpairvsdiffpair=TRUE checkxsignals=TRUE checkothers=TRUE
MatchedLengths "Schematic Matched Net Lengths_113" [InNetClass('FLASH_SPI')] p7: tolerance=150 checknetsindiffpair=FALSE checkdiffpairvsdiffpair=TRUE checkxsignals=TRUE checkothers=TRUE
MatchedLengths "Schematic Matched Net Lengths_109" [InNetClass('EEPROM_SIGNALS')] p8: tolerance=10 checknetsindiffpair=FALSE checkdiffpairvsdiffpair=TRUE checkxsignals=TRUE checkothers=TRUE
MatchedLengths "Schematic Matched Net Lengths_100" [InNetClass('DDR_ADD/CMD')] p9: tolerance=20 checknetsindiffpair=FALSE checkdiffpairvsdiffpair=TRUE checkxsignals=TRUE checkothers=TRUE
MatchedLengths "Schematic Matched Net Lengths_82" [InNetClass('DDR_DATA(0-7)')] p10: tolerance=10 checknetsindiffpair=FALSE checkdiffpairvsdiffpair=TRUE checkxsignals=TRUE checkothers=TRUE
MatchedLengths "Schematic Matched Net Lengths_81" [InNetClass('DDR_DATA(8-15)')] p11: tolerance=10 checknetsindiffpair=FALSE checkdiffpairvsdiffpair=TRUE checkxsignals=TRUE checkothers=TRUE
MatchedLengths "Schematic Matched Net Lengths_72" [InNet('ADC_IN_P')] p12: tolerance=200 checknetsindiffpair=FALSE checkdiffpairvsdiffpair=TRUE checkxsignals=TRUE checkothers=TRUE
MatchedLengths "Schematic Matched Net Lengths_68" [InNet('L17_P')] p13: tolerance=400 checknetsindiffpair=TRUE checkdiffpairvsdiffpair=FALSE checkxsignals=FALSE checkothers=FALSE
MatchedLengths "Schematic Matched Net Lengths_67" [InNet('L14_P')] p14: tolerance=400 checknetsindiffpair=TRUE checkdiffpairvsdiffpair=FALSE checkxsignals=FALSE checkothers=FALSE
MatchedLengths "Schematic Matched Net Lengths_66" [InNet('L24_P')] p15: tolerance=400 checknetsindiffpair=TRUE checkdiffpairvsdiffpair=FALSE checkxsignals=FALSE checkothers=FALSE
MatchedLengths "Schematic Matched Net Lengths_65" [InNet('L17_N')] p16: tolerance=400 checknetsindiffpair=TRUE checkdiffpairvsdiffpair=FALSE checkxsignals=FALSE checkothers=FALSE
MatchedLengths "Schematic Matched Net Lengths_64" [InNet('L11_P')] p17: tolerance=400 checknetsindiffpair=TRUE checkdiffpairvsdiffpair=FALSE checkxsignals=FALSE checkothers=FALSE
MatchedLengths "Schematic Matched Net Lengths_63" [InNet('L21_P')] p18: tolerance=400 checknetsindiffpair=TRUE checkdiffpairvsdiffpair=FALSE checkxsignals=FALSE checkothers=FALSE
MatchedLengths "Schematic Matched Net Lengths_62" [InNet('L4_N')] p19: tolerance=400 checknetsindiffpair=TRUE checkdiffpairvsdiffpair=FALSE checkxsignals=FALSE checkothers=FALSE
MatchedLengths "Schematic Matched Net Lengths_61" [InNet('L4_P')] p20: tolerance=400 checknetsindiffpair=TRUE checkdiffpairvsdiffpair=FALSE checkxsignals=FALSE checkothers=FALSE
MatchedLengths "Schematic Matched Net Lengths_60" [InNet('L6_N')] p21: tolerance=400 checknetsindiffpair=TRUE checkdiffpairvsdiffpair=FALSE checkxsignals=FALSE checkothers=FALSE
MatchedLengths "Schematic Matched Net Lengths_59" [InNet('L6_P')] p22: tolerance=400 checknetsindiffpair=TRUE checkdiffpairvsdiffpair=FALSE checkxsignals=FALSE checkothers=FALSE
MatchedLengths "Schematic Matched Net Lengths_57" [InNet('AD4_P')] p23: tolerance=400 checknetsindiffpair=TRUE checkdiffpairvsdiffpair=FALSE checkxsignals=FALSE checkothers=FALSE
MatchedLengths "Schematic Matched Net Lengths_56" [InNet('AD4_N')] p24: tolerance=400 checknetsindiffpair=TRUE checkdiffpairvsdiffpair=FALSE checkxsignals=FALSE checkothers=FALSE
MatchedLengths "Schematic Matched Net Lengths_55" [InNet('L19_P')] p25: tolerance=400 checknetsindiffpair=TRUE checkdiffpairvsdiffpair=FALSE checkxsignals=FALSE checkothers=FALSE
MatchedLengths "Schematic Matched Net Lengths_54" [InNet('L11_N')] p26: tolerance=400 checknetsindiffpair=TRUE checkdiffpairvsdiffpair=FALSE checkxsignals=FALSE checkothers=FALSE
MatchedLengths "Schematic Matched Net Lengths_53" [InNet('L21_N')] p27: tolerance=400 checknetsindiffpair=TRUE checkdiffpairvsdiffpair=FALSE checkxsignals=FALSE checkothers=FALSE
MatchedLengths "Schematic Matched Net Lengths_52" [InNet('L19_N')] p28: tolerance=400 checknetsindiffpair=TRUE checkdiffpairvsdiffpair=FALSE checkxsignals=FALSE checkothers=FALSE
MatchedLengths "Schematic Matched Net Lengths_51" [InNet('L15_N')] p29: tolerance=400 checknetsindiffpair=TRUE checkdiffpairvsdiffpair=FALSE checkxsignals=FALSE checkothers=FALSE
MatchedLengths "Schematic Matched Net Lengths_50" [InNet('L12_P')] p30: tolerance=400 checknetsindiffpair=TRUE checkdiffpairvsdiffpair=FALSE checkxsignals=FALSE checkothers=FALSE
MatchedLengths "Schematic Matched Net Lengths_49" [InNet('L22_P')] p31: tolerance=400 checknetsindiffpair=TRUE checkdiffpairvsdiffpair=FALSE checkxsignals=FALSE checkothers=FALSE
MatchedLengths "Schematic Matched Net Lengths_48" [InNet('AD15_N')] p32: tolerance=400 checknetsindiffpair=TRUE checkdiffpairvsdiffpair=FALSE checkxsignals=FALSE checkothers=FALSE
MatchedLengths "Schematic Matched Net Lengths_47" [InNet('AD15_P')] p33: tolerance=400 checknetsindiffpair=TRUE checkdiffpairvsdiffpair=FALSE checkxsignals=FALSE checkothers=FALSE
MatchedLengths "Schematic Matched Net Lengths_46" [InNet('AD14_N')] p34: tolerance=400 checknetsindiffpair=TRUE checkdiffpairvsdiffpair=FALSE checkxsignals=FALSE checkothers=FALSE
MatchedLengths "Schematic Matched Net Lengths_45" [InNet('AD14_P')] p35: tolerance=400 checknetsindiffpair=TRUE checkdiffpairvsdiffpair=FALSE checkxsignals=FALSE checkothers=FALSE
MatchedLengths "Schematic Matched Net Lengths_44" [InNet('AD13_N')] p36: tolerance=400 checknetsindiffpair=TRUE checkdiffpairvsdiffpair=FALSE checkxsignals=FALSE checkothers=FALSE
MatchedLengths "Schematic Matched Net Lengths_43" [InNet('AD13_P')] p37: tolerance=400 checknetsindiffpair=TRUE checkdiffpairvsdiffpair=FALSE checkxsignals=FALSE checkothers=FALSE
MatchedLengths "Schematic Matched Net Lengths_42" [InNet('AD12_N')] p38: tolerance=400 checknetsindiffpair=TRUE checkdiffpairvsdiffpair=FALSE checkxsignals=FALSE checkothers=FALSE
MatchedLengths "Schematic Matched Net Lengths_41" [InNet('AD12_P')] p39: tolerance=400 checknetsindiffpair=TRUE checkdiffpairvsdiffpair=FALSE checkxsignals=FALSE checkothers=FALSE
MatchedLengths "Schematic Matched Net Lengths_40" [InNet('L15_P')] p40: tolerance=400 checknetsindiffpair=TRUE checkdiffpairvsdiffpair=FALSE checkxsignals=FALSE checkothers=FALSE
MatchedLengths "Schematic Matched Net Lengths_37" [InNet('AD5_P')] p41: tolerance=400 checknetsindiffpair=TRUE checkdiffpairvsdiffpair=FALSE checkxsignals=FALSE checkothers=FALSE
MatchedLengths "Schematic Matched Net Lengths_36" [InNet('L12_N')] p42: tolerance=400 checknetsindiffpair=TRUE checkdiffpairvsdiffpair=FALSE checkxsignals=FALSE checkothers=FALSE
MatchedLengths "Schematic Matched Net Lengths_35" [InNet('L22_N')] p43: tolerance=400 checknetsindiffpair=TRUE checkdiffpairvsdiffpair=FALSE checkxsignals=FALSE checkothers=FALSE
MatchedLengths "Schematic Matched Net Lengths_34" [InNet('AD5_N')] p44: tolerance=400 checknetsindiffpair=TRUE checkdiffpairvsdiffpair=FALSE checkxsignals=FALSE checkothers=FALSE
MatchedLengths "Schematic Matched Net Lengths_33" [InNet('AD7_P')] p45: tolerance=400 checknetsindiffpair=TRUE checkdiffpairvsdiffpair=FALSE checkxsignals=FALSE checkothers=FALSE
MatchedLengths "Schematic Matched Net Lengths_32" [InNet('L16_P')] p46: tolerance=400 checknetsindiffpair=TRUE checkdiffpairvsdiffpair=FALSE checkxsignals=FALSE checkothers=FALSE
MatchedLengths "Schematic Matched Net Lengths_31" [InNet('L13_P')] p47: tolerance=400 checknetsindiffpair=TRUE checkdiffpairvsdiffpair=FALSE checkxsignals=FALSE checkothers=FALSE
MatchedLengths "Schematic Matched Net Lengths_30" [InNet('L23_P')] p48: tolerance=400 checknetsindiffpair=TRUE checkdiffpairvsdiffpair=FALSE checkxsignals=FALSE checkothers=FALSE
MatchedLengths "Schematic Matched Net Lengths_29" [InNet('L16_N')] p49: tolerance=400 checknetsindiffpair=TRUE checkdiffpairvsdiffpair=FALSE checkxsignals=FALSE checkothers=FALSE
MatchedLengths "Schematic Matched Net Lengths_28" [InNet('L20_P')] p50: tolerance=400 checknetsindiffpair=TRUE checkdiffpairvsdiffpair=FALSE checkxsignals=FALSE checkothers=FALSE
MatchedLengths "Schematic Matched Net Lengths_27" [InNet('AD6_P')] p51: tolerance=400 checknetsindiffpair=TRUE checkdiffpairvsdiffpair=FALSE checkxsignals=FALSE checkothers=FALSE
MatchedLengths "Schematic Matched Net Lengths_26" [InNet('AD7_N')] p52: tolerance=400 checknetsindiffpair=TRUE checkdiffpairvsdiffpair=FALSE checkxsignals=FALSE checkothers=FALSE
MatchedLengths "Schematic Matched Net Lengths_25" [InNet('L18_P')] p53: tolerance=400 checknetsindiffpair=TRUE checkdiffpairvsdiffpair=FALSE checkxsignals=FALSE checkothers=FALSE
MatchedLengths "Schematic Matched Net Lengths_24" [InNet('L20_N')] p54: tolerance=400 checknetsindiffpair=TRUE checkdiffpairvsdiffpair=FALSE checkxsignals=FALSE checkothers=FALSE
MatchedLengths "Schematic Matched Net Lengths_23" [InNet('L18_N')] p55: tolerance=400 checknetsindiffpair=TRUE checkdiffpairvsdiffpair=FALSE checkxsignals=FALSE checkothers=FALSE
MatchedLengths "Schematic Matched Net Lengths_22" [InNet('L14_N')] p56: tolerance=400 checknetsindiffpair=TRUE checkdiffpairvsdiffpair=FALSE checkxsignals=FALSE checkothers=FALSE
MatchedLengths "Schematic Matched Net Lengths_21" [InNet('L24_N')] p57: tolerance=400 checknetsindiffpair=TRUE checkdiffpairvsdiffpair=FALSE checkxsignals=FALSE checkothers=FALSE
MatchedLengths "Schematic Matched Net Lengths_20" [InNet('AD6_N')] p58: tolerance=400 checknetsindiffpair=TRUE checkdiffpairvsdiffpair=FALSE checkxsignals=FALSE checkothers=FALSE
MatchedLengths "Schematic Matched Net Lengths_19" [InNet('L13_N')] p59: tolerance=400 checknetsindiffpair=TRUE checkdiffpairvsdiffpair=FALSE checkxsignals=FALSE checkothers=FALSE
MatchedLengths "Schematic Matched Net Lengths_18" [InNet('L23_N')] p60: tolerance=400 checknetsindiffpair=TRUE checkdiffpairvsdiffpair=FALSE checkxsignals=FALSE checkothers=FALSE
MatchedLengths "Schematic Matched Net Lengths_16" [InNet('ADC_IN_N')] p61: tolerance=200 checknetsindiffpair=FALSE checkdiffpairvsdiffpair=TRUE checkxsignals=TRUE checkothers=TRUE
MatchedLengths "Schematic Matched Net Lengths_15" [InNet('IN_Filter_ADC_P')] p62: tolerance=200 checknetsindiffpair=FALSE checkdiffpairvsdiffpair=TRUE checkxsignals=TRUE checkothers=TRUE
MatchedLengths "Schematic Matched Net Lengths_14" [InNet('IN_Filter_ADC_N')] p63: tolerance=200 checknetsindiffpair=FALSE checkdiffpairvsdiffpair=TRUE checkxsignals=TRUE checkothers=TRUE
MatchedLengths "Schematic Matched Net Lengths_7" [InNet('UDQS_N')] p64: tolerance=1 checknetsindiffpair=FALSE checkdiffpairvsdiffpair=TRUE checkxsignals=TRUE checkothers=TRUE
MatchedLengths "Schematic Matched Net Lengths_6" [InNet('UDQS_P')] p65: tolerance=1 checknetsindiffpair=FALSE checkdiffpairvsdiffpair=TRUE checkxsignals=TRUE checkothers=TRUE
MatchedLengths "Schematic Matched Net Lengths_5" [InNet('LDQS_N')] p66: tolerance=1 checknetsindiffpair=FALSE checkdiffpairvsdiffpair=TRUE checkxsignals=TRUE checkothers=TRUE
MatchedLengths "Schematic Matched Net Lengths_4" [InNet('LDQS_P')] p67: tolerance=1 checknetsindiffpair=FALSE checkdiffpairvsdiffpair=TRUE checkxsignals=TRUE checkothers=TRUE
MatchedLengths "Schematic Matched Net Lengths_3" [InNet('CK_P')] p68: tolerance=1 checknetsindiffpair=FALSE checkdiffpairvsdiffpair=TRUE checkxsignals=TRUE checkothers=TRUE
MatchedLengths "Schematic Matched Net Lengths_2" [InNet('CK_N')] p69: tolerance=1 checknetsindiffpair=FALSE checkdiffpairvsdiffpair=TRUE checkxsignals=TRUE checkothers=TRUE
MatchedLengths "Schematic Matched Net Lengths_1" [InNet('USB_DATA_N')] p70: tolerance=150 checknetsindiffpair=TRUE checkdiffpairvsdiffpair=FALSE checkxsignals=FALSE checkothers=FALSE usedelayunits=TRUE delaytolerance=200.000000
MaxMinImpedance "Schematic Impedance Constraint_2" [InNetClass('FPGA_CONFIG_SIGNALS_1')] p1: minimum=45,00 maximum=55,00
MaxMinImpedance "Schematic Impedance Constraint_1" [InNetClass('FPGA_CONFIG_SIGNALS_2')] p2: minimum=45,00 maximum=55,00
MaxMinImpedance "Schematic Impedance Constraint" [InNetClass('DDR_CTRL')] p3: minimum=45,00 maximum=55,00
MaxMinImpedance "Schematic Impedance Constraint_141" [InNet('IN_Filter_ADC_P')] p4: minimum=95,00 maximum=105,0
MaxMinImpedance "Schematic Impedance Constraint_140" [InNet('IN_Filter_ADC_N')] p5: minimum=95,00 maximum=105,0
MaxMinImpedance "Schematic Impedance Constraint_139" [InNet('USB_DATA_P')] p6: minimum=85,00 maximum=95,00
MaxMinImpedance "Schematic Impedance Constraint_137" [InNetClass('FPGA_BANK34')] p7: minimum=45,00 maximum=55,00
MaxMinImpedance "Schematic Impedance Constraint_122" [InNetClass('DDR_ADD/CMD')] p8: minimum=45,00 maximum=55,00
MaxMinImpedance "Schematic Impedance Constraint_112" [InNetClass('DDR_DATA(8-15)')] p9: minimum=45,00 maximum=55,00
MaxMinImpedance "Schematic Impedance Constraint_107" [InNetClass('FPGA_BANK14')] p10: minimum=45,00 maximum=55,00
MaxMinImpedance "Schematic Impedance Constraint_101" [InNetClass('DDR_DATA(0-7)')] p11: minimum=45,00 maximum=55,00